# KiCad board SparkFun_Pro_Mini-ESP32_panelized.kicad_pcb (continued)
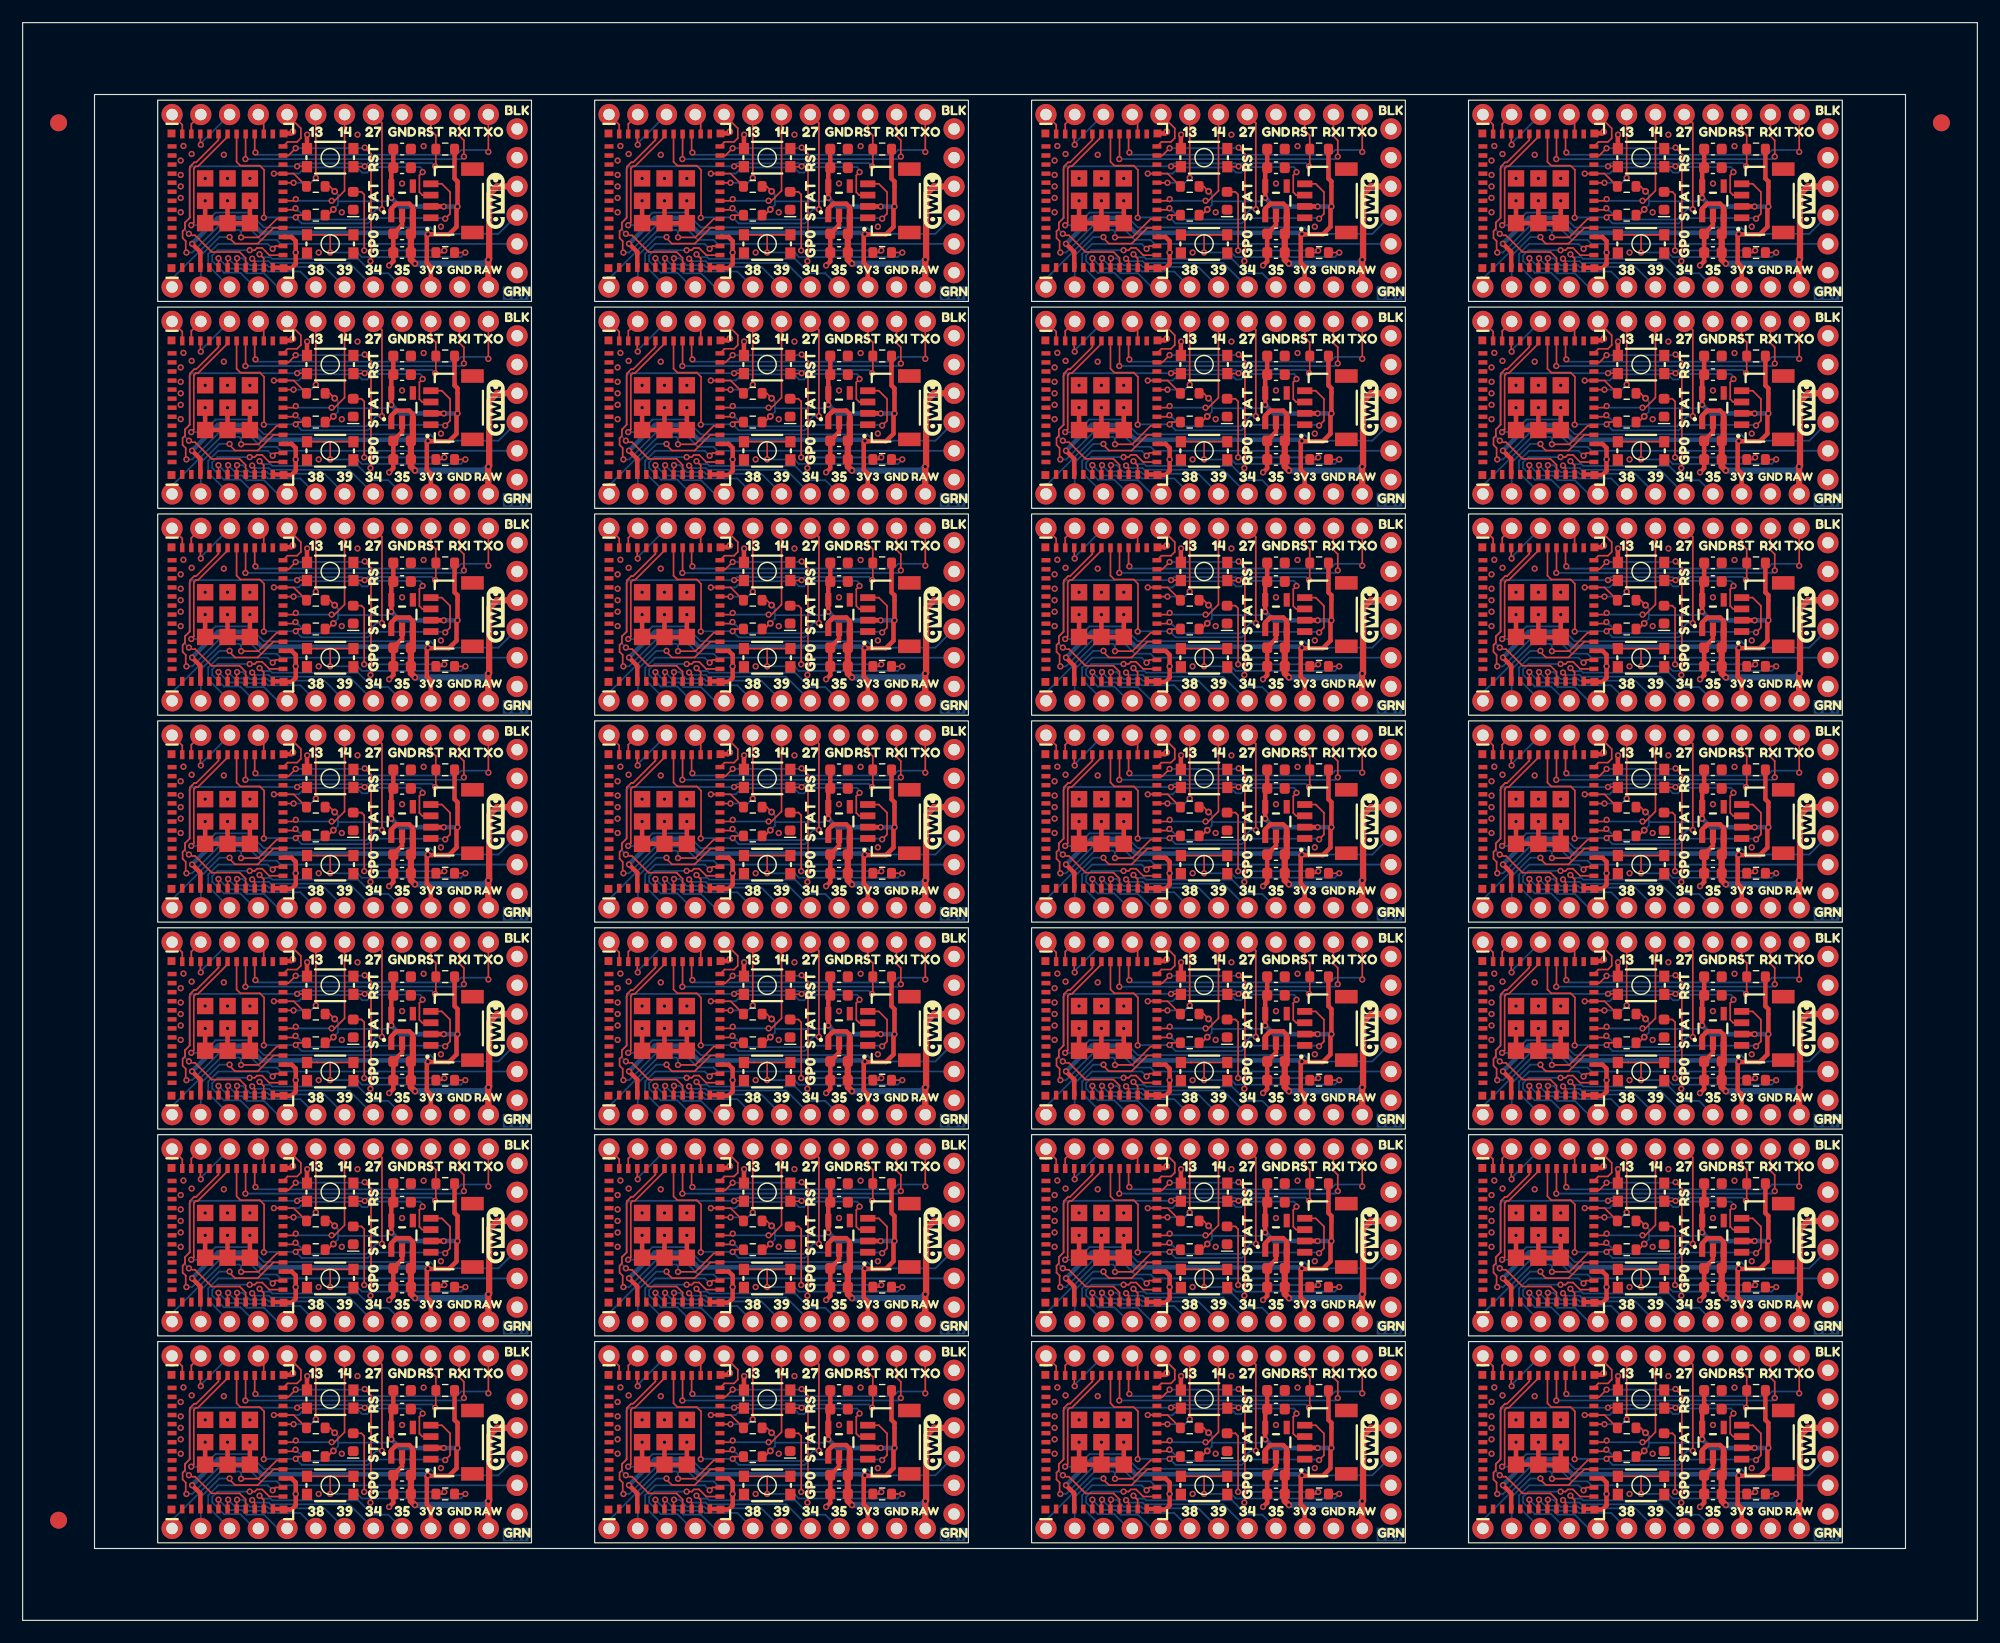
[diagram p0: board, top side]
## Routing (per net, layer and track width the routed paths; a pad name or vN(x,y) marks a point on that pad's centre or on a via; arc(x,y) is an arc through that point) (continued)
GND: length 626.5
  Top w0.406: U1#10.49.2 U1#10.49.1 v2(93.33,70.58) ; U1#10.49.2 v2(95.3,70.58) ; U1#10.49.2 U1#10.49.3 v2(97.27,70.58) ; U1#19.49.2 U1#19.49.3 v2(135.88,107.14) ; U1#19.49.2 v2(133.9,107.14) ; U1#19.49.2 U1#19.49.1 v2(131.93,107.14) ; v2(25.14,21.58) 25.12,21.56 SW1#25.2 ; U1#13.49.2 U1#13.49.1 v2(93.33,88.86) ; U1#13.49.2 v2(95.3,88.86) ; U1#13.49.2 U1#13.49.3 v2(97.27,88.86) ; U1#3.11 138.8,82.96 U1#3.52 139.56,82.91 139.92,83.27 v2(139.92,84.29) 139.92,85.3 139.57,85.66 U1#3.14 ; SW1#9.2 25.12,39.84 v2(25.14,39.86) ; U1#10.11 100.2,64.68 U1#10.52 100.96,64.63 101.32,64.99 v2(101.32,66.01) 101.32,67.02 100.97,67.38 U1#10.14 ; U1#17.49.2 U1#17.49.3 v2(58.67,34.02) ; U1#17.49.2 v2(56.7,34.02) ; U1#17.49.2 U1#17.49.1 v2(54.73,34.02) ; U1#11.14 100.97,103.94 101.32,103.58 v2(101.32,102.57) 101.32,101.55 100.96,101.19 U1#11.52 100.2,101.24 U1#11.11 ; v2(140.94,94.7) 140.92,94.68 SW1#16.2 ; v2(25.14,58.14) 25.12,58.12 SW1#23.2 ; v2(20.08,70.58) U1#24.49.3 U1#24.49.2 ; v2(109.58,101.43) 109.95,101.79 C2#11.2 C1#21.2 110.72,104.99 U2#20.2 ; v2(58.67,70.58) U1#15.49.3 U1#15.49.2 ; U1#3.51 139.52,94.81 v1(139.67,94.96) ; v2(20.08,107.14) U1#6.49.3 U1#6.49.2 ; U1#15.51 62.32,76.53 v1(62.47,76.68) ; U1#28.49.2 U1#28.49.1 v2(16.13,52.3) ; U1#28.49.2 v2(18.1,52.3) ; U1#28.49.2 U1#28.49.3 v2(20.08,52.3) ; v1(62.47,58.4) 62.32,58.25 U1#20.51 ; U1#25.14 23.77,85.66 24.12,85.3 v2(24.12,84.29) 24.12,83.27 23.76,82.91 U1#25.52 23,82.96 U1#25.11 ; U1#19.14 139.57,103.94 139.92,103.58 v2(139.92,102.57) 139.92,101.55 139.56,101.19 U1#19.52 138.8,101.24 U1#19.11 ; U1#5.49.2 v2(95.3,52.3) ; U1#5.49.2 U1#5.49.3 v2(97.27,52.3) ; U1#5.49.2 U1#5.49.1 v2(93.33,52.3) ; U1#21.14 62.37,103.94 62.72,103.58 v2(62.72,102.57) 62.72,101.55 62.36,101.19 U1#21.52 61.6,101.24 U1#21.11 ; v2(140.94,21.58) 140.92,21.56 SW1#6.2 ; U1#22.14 100.97,12.54 101.32,12.18 v2(101.32,11.17) 101.32,10.15 100.96,9.79 U1#22.52 100.2,9.84 U1#22.11 ; U1#15.49.2 U1#15.49.1 v2(54.73,70.58) ; U1#15.49.2 v2(56.7,70.58) ; v1(62.47,40.12) 62.32,39.97 U1#17.51 ; v2(63.74,58.14) 63.72,58.12 SW1#13.2 ; v2(109.58,64.87) 109.95,65.23 C2#27.2 C1#16.2 110.72,68.43 U2#15.2 ; U1#24.51 23.72,76.53 v1(23.87,76.68) ; SW1#19.2 63.72,76.4 v2(63.74,76.42) ; U1#3.49.2 U1#3.49.1 v2(131.93,88.86) ; U1#3.49.2 U1#3.49.3 v2(135.88,88.86) ; U1#3.49.2 v2(133.9,88.86) ; v2(54.73,88.86) U1#16.49.1 U1#16.49.2 ; U1#24.49.2 U1#24.49.1 v2(16.13,70.58) ; U1#24.49.2 v2(18.1,70.58) ; SW1#14.2 140.92,39.84 v2(140.94,39.86) ; v2(93.33,15.74) U1#22.49.1 U1#22.49.2 ; v2(70.98,28.31) 71.35,28.67 71.35,31.1 72.12,31.87 U2#26.2 ; U2#2.2 72.12,13.59 71.35,12.82 71.35,10.39 v2(70.98,10.03) ; U1#20.49.2 U1#20.49.1 v2(54.73,52.3) ; U1#20.49.2 U1#20.49.3 v2(58.67,52.3) ; U1#20.49.2 v2(56.7,52.3) ; v2(140.94,131.26) 140.92,131.24 SW1.2 ; v2(32.38,101.43) 32.74,101.79 C2#25.2 C1#13.2 33.52,104.99 U2#14.2 ; v2(25.14,131.26) 25.12,131.24 SW1#3.2 ; SW1#11.2 25.12,94.68 v2(25.14,94.7) ; U1#23.11 61.6,119.52 U1#23.52 62.36,119.47 62.72,119.83 v2(62.72,120.85) 62.72,121.86 62.37,122.22 U1#23.14 ; SW1#28.2 63.72,131.24 v2(63.74,131.26) ; SW1#7.2 25.12,112.96 v2(25.14,112.98) ; v2(148.18,64.87) 148.54,65.23 C2#28.2 C1#26.2 149.32,68.43 U2#9.2 ; v2(148.18,101.43) 148.54,101.79 C2#6.2 C1#2.2 149.32,104.99 U2#11.2 ; v1(139.67,58.4) 139.52,58.25 U1#7.51 ; v2(131.93,125.42) U1#9.49.1 U1#9.49.2 ; U1#21.51 62.32,113.09 v1(62.47,113.24) ; v2(16.13,88.86) U1#25.49.1 U1#25.49.2 ; U2#10.2 33.52,13.59 C1#10.2 C2#23.2 32.74,10.39 v2(32.38,10.03) ; U1#12.51 139.52,76.53 v1(139.67,76.68) ; U1#11.49.2 U1#11.49.1 v2(93.33,107.14) ; U1#11.49.2 v2(95.3,107.14) ; U1#11.49.2 U1#11.49.3 v2(97.27,107.14) ; U1#24.11 23,64.68 U1#24.52 23.76,64.63 24.12,64.99 v2(24.12,66.01) 24.12,67.02 23.77,67.38 U1#24.14 ; U2#12.2 72.12,68.43 71.35,67.66 71.35,65.23 v2(70.98,64.87) ; U1#14.14 100.97,122.22 101.32,121.86 v2(101.32,120.85) 101.32,119.83 100.96,119.47 U1#14.52 100.2,119.52 U1#14.11 ; U1#5.14 100.97,49.1 101.32,48.74 v2(101.32,47.73) 101.32,46.71 100.96,46.35 U1#5.52 100.2,46.4 U1#5.11 ; v2(102.34,21.58) 102.32,21.56 SW1#8.2 ; U1#16.49.2 v2(56.7,88.86) ; U1#16.49.2 U1#16.49.3 v2(58.67,88.86) ; U1#28.11 23,46.4 U1#28.52 23.76,46.35 24.12,46.71 v2(24.12,47.73) 24.12,48.74 23.77,49.1 U1#28.14 ; v1(139.67,113.24) 139.52,113.09 U1#19.51 ; U2#3.2 72.12,104.99 71.35,104.22 71.35,101.79 v2(70.98,101.43) ; SW1#27.2 102.32,131.24 v2(102.34,131.26) ; U1#23.49.2 v2(56.7,125.42) ; U1#23.49.2 U1#23.49.1 v2(54.73,125.42) ; U1#23.49.2 U1#23.49.3 v2(58.67,125.42) ; v1(139.67,40.12) 139.52,39.97 U1#27.51 ; v2(20.08,125.42) U1#18.49.3 U1#18.49.2 ; v1(23.87,21.84) 23.72,21.69 U1.51 ; U1#21.49.2 U1#21.49.3 v2(58.67,107.14) ; U1#21.49.2 U1#21.49.1 v2(54.73,107.14) ; U1#21.49.2 v2(56.7,107.14) ; v2(32.38,46.59) 32.74,46.95 C2#12.2 C1#18.2 33.52,50.15 U2#23.2 ; U1#9.49.2 v2(133.9,125.42) ; U1#9.49.2 U1#9.49.3 v2(135.88,125.42) ; U2#28.2 149.32,31.87 C1#8.2 C2#22.2 148.54,28.67 v2(148.18,28.31) ; U2#13.2 33.52,123.27 C1#24.2 C2#5.2 32.74,120.07 v2(32.38,119.71) ; U2#17.2 110.72,123.27 C1#28.2 C2#7.2 109.95,120.07 v2(109.58,119.71) ; U1#8.14 100.97,30.82 101.32,30.46 v2(101.32,29.45) 101.32,28.43 100.96,28.07 U1#8.52 100.2,28.12 U1#8.11 ; U1#7.49.2 U1#7.49.3 v2(135.88,52.3) ; U1#7.49.2 v2(133.9,52.3) ; U1#7.49.2 U1#7.49.1 v2(131.93,52.3) ; U1#18.49.2 U1#18.49.1 v2(16.13,125.42) ; U1#18.49.2 v2(18.1,125.42) ; v2(109.58,83.15) 109.95,83.51 C2#19.2 C1#9.2 110.72,86.71 U2.2 ; v1(101.07,40.12) 100.92,39.97 U1#8.51 ; U1#12.11 138.8,64.68 U1#12.52 139.56,64.63 139.92,64.99 v2(139.92,66.01) 139.92,67.02 139.57,67.38 U1#12.14 ; U1#16.51 62.32,94.81 v1(62.47,94.96) ; v1(101.07,21.84) 100.92,21.69 U1#22.51 ; v1(23.87,40.12) 23.72,39.97 U1#2.51 ; U1#27.49.2 v2(133.9,34.02) ; U1#27.49.2 U1#27.49.3 v2(135.88,34.02) ; U1#27.49.2 U1#27.49.1 v2(131.93,34.02) ; v2(102.34,76.42) 102.32,76.4 SW1#15.2 ; U1#6.49.2 U1#6.49.1 v2(16.13,107.14) ; U1#6.49.2 v2(18.1,107.14) ; U1#18.11 23,119.52 U1#18.52 23.76,119.47 24.12,119.83 v2(24.12,120.85) 24.12,121.86 23.77,122.22 U1#18.14 ; v2(63.74,94.7) 63.72,94.68 SW1#18.2 ; U1#14.49.2 v2(95.3,125.42) ; U1#14.49.2 U1#14.49.3 v2(97.27,125.42) ; U1#14.49.2 U1#14.49.1 v2(93.33,125.42) ; v2(109.58,10.03) 109.95,10.39 C2#21.2 C1#25.2 110.72,13.59 U2#19.2 ; U1#15.11 61.6,64.68 U1#15.52 62.36,64.63 62.72,64.99 v2(62.72,66.01) 62.72,67.02 62.37,67.38 U1#15.14 ; v2(109.58,28.31) 109.95,28.67 C2.2 C1#12.2 110.72,31.87 U2#4.2 ; v2(97.27,34.02) U1#8.49.3 U1#8.49.2 ; U1#12.49.2 U1#12.49.3 v2(135.88,70.58) ; U1#12.49.2 v2(133.9,70.58) ; U1#12.49.2 U1#12.49.1 v2(131.93,70.58) ; SW1#17.2 63.72,39.84 v2(63.74,39.86) ; SW1#21.2 102.32,58.12 v2(102.34,58.14) ; U1#27.14 139.57,30.82 139.92,30.46 v2(139.92,29.45) 139.92,28.43 139.56,28.07 U1#27.52 138.8,28.12 U1#27.11 ; v2(58.67,15.74) U1#4.49.3 U1#4.49.2 ; v1(101.07,76.68) 100.92,76.53 U1#10.51 ; v1(62.47,131.52) 62.32,131.37 U1#23.51 ; U1#22.49.2 v2(95.3,15.74) ; U1#22.49.2 U1#22.49.3 v2(97.27,15.74) ; v2(70.98,83.15) 71.35,83.51 71.35,85.94 72.12,86.71 U2#24.2 ; v2(70.98,119.71) 71.35,120.07 71.35,122.5 72.12,123.27 U2#6.2 ; U1#25.51 23.72,94.81 v1(23.87,94.96) ; v2(148.18,83.15) 148.54,83.51 C2#26.2 C1#20.2 149.32,86.71 U2#27.2 ; v2(140.94,112.98) 140.92,112.96 SW1#26.2 ; U1#8.49.2 v2(95.3,34.02) ; U1#8.49.2 U1#8.49.1 v2(93.33,34.02) ; U1.49.2 v2(18.1,15.74) ; U1.49.2 U1.49.1 v2(16.13,15.74) ; U1.49.2 U1.49.3 v2(20.08,15.74) ; U2#18.2 110.72,50.15 C1#3.2 C2#3.2 109.95,46.95 v2(109.58,46.59) ; U1#2.49.2 U1#2.49.1 v2(16.13,34.02) ; U1#2.49.2 U1#2.49.3 v2(20.08,34.02) ; U1#2.49.2 v2(18.1,34.02) ; U1#4.11 61.6,9.84 U1#4.52 62.36,9.79 62.72,10.15 v2(62.72,11.17) 62.72,12.18 62.37,12.54 U1#4.14 ; U1#20.11 61.6,46.4 U1#20.52 62.36,46.35 62.72,46.71 v2(62.72,47.73) 62.72,48.74 62.37,49.1 U1#20.14 ; v2(102.34,39.86) 102.32,39.84 SW1#2.2 ; SW1#10.2 140.92,76.4 v2(140.94,76.42) ; v1(101.07,131.52) 100.92,131.37 U1#14.51 ; U1#26.49.2 v2(133.9,15.74) ; U1#26.49.2 U1#26.49.1 v2(131.93,15.74) ; U1#26.49.2 U1#26.49.3 v2(135.88,15.74) ; v2(25.14,76.42) 25.12,76.4 SW1#4.2 ; U1.14 23.77,12.54 24.12,12.18 v2(24.12,11.17) 24.12,10.15 23.76,9.79 U1.52 23,9.84 U1.11 ; U1#26.11 138.8,9.84 U1#26.52 139.56,9.79 139.92,10.15 v2(139.92,11.17) 139.92,12.18 139.57,12.54 U1#26.14 ; U1#6.14 23.77,103.94 24.12,103.58 v2(24.12,102.57) 24.12,101.55 23.76,101.19 U1#6.52 23,101.24 U1#6.11 ; U1#17.11 61.6,28.12 U1#17.52 62.36,28.07 62.72,28.43 v2(62.72,29.45) 62.72,30.46 62.37,30.82 U1#17.14 ; SW1#5.2 63.72,112.96 v2(63.74,112.98) ; v1(101.07,58.4) 100.92,58.25 U1#5.51 ; v2(32.38,28.31) 32.74,28.67 C2#24.2 C1#22.2 33.52,31.87 U2#16.2 ; U1#25.49.2 v2(18.1,88.86) ; U1#25.49.2 U1#25.49.3 v2(20.08,88.86) ; U1#6.51 23.72,113.09 v1(23.87,113.24) ; U2#21.2 72.12,50.15 71.35,49.38 71.35,46.95 v2(70.98,46.59) ; U1#4.51 62.32,21.69 v1(62.47,21.84) ; v2(32.38,83.15) 32.74,83.51 C2#2.2 C1#17.2 33.52,86.71 U2#25.2 ; U1#13.51 100.92,94.81 v1(101.07,94.96) ; U2#22.2 149.32,123.27 C1#4.2 C2#8.2 148.54,120.07 v2(148.18,119.71) ; v2(148.18,46.59) 148.54,46.95 C2#9.2 C1#5.2 149.32,50.15 U2#7.2 ; v2(102.34,112.98) 102.32,112.96 SW1#20.2 ; SW1#22.2 140.92,58.12 v2(140.94,58.14) ; U1#9.14 139.57,122.22 139.92,121.86 v2(139.92,120.85) 139.92,119.83 139.56,119.47 U1#9.52 138.8,119.52 U1#9.11 ; SW1#24.2 102.32,94.68 v2(102.34,94.7) ; v1(23.87,58.4) 23.72,58.25 U1#28.51 ; v1(101.07,113.24) 100.92,113.09 U1#11.51 ; U1#4.49.2 v2(56.7,15.74) ; U1#4.49.2 U1#4.49.1 v2(54.73,15.74) ; v2(32.38,64.87) 32.74,65.23 C2#4.2 C1#27.2 33.52,68.43 U2#5.2 ; U1#2.14 23.77,30.82 24.12,30.46 v2(24.12,29.45) 24.12,28.43 23.76,28.07 U1#2.52 23,28.12 U1#2.11 ; v1(23.87,131.52) 23.72,131.37 U1#18.51 ; U1#9.51 139.52,131.37 v1(139.67,131.52) ; v2(63.74,21.58) 63.72,21.56 SW1#12.2 ; U1#7.14 139.57,49.1 139.92,48.74 v2(139.92,47.73) 139.92,46.71 139.56,46.35 U1#7.52 138.8,46.4 U1#7.11 ; U1#26.51 139.52,21.69 v1(139.67,21.84) ; U1#16.11 61.6,82.96 U1#16.52 62.36,82.91 62.72,83.27 v2(62.72,84.29) 62.72,85.3 62.37,85.66 U1#16.14 ; U1#13.11 100.2,82.96 U1#13.52 100.96,82.91 101.32,83.27 v2(101.32,84.29) 101.32,85.3 100.97,85.66 U1#13.14 ; U2#8.2 149.32,13.59 C1#6.2 C2#18.2 148.54,10.39 v2(148.18,10.03)
  vias: v2(13.96,128.98) v2(13.96,127.71) v2(13.96,126.69) v2(13.96,125.67) v2(13.96,124.4) v2(13.96,110.7) v2(13.96,109.43) v2(13.96,108.41) v2(13.96,107.39) v2(13.96,106.12) v2(13.96,92.42) v2(13.96,91.15) v2(13.96,90.13) v2(13.96,89.11) v2(13.96,87.84) v2(13.96,74.14) v2(13.96,72.87) v2(13.96,71.85) v2(13.96,70.83) v2(13.96,69.56) v2(13.96,55.86) v2(13.96,54.59) v2(13.96,53.57) v2(13.96,52.55) v2(13.96,51.28) v2(13.96,37.58) v2(13.96,36.31) v2(13.96,35.29) v2(13.96,34.27) v2(13.96,33) v2(13.96,19.3) v2(13.96,18.03) v2(13.96,17.01) v2(13.96,15.99) v2(13.96,14.72) v2(14.21,130.26) v2(14.21,111.98) v2(14.21,93.7) v2(14.21,75.42) v2(14.21,57.14) v2(14.21,38.86) v2(14.21,20.58) v2(14.93,129.55) v2(14.93,111.27) v2(14.93,92.99) v2(14.93,74.71) v2(14.93,56.43) v2(14.93,38.15) v2(14.93,19.87) v2(16.13,127.4) v2(16.13,109.12) v2(16.13,90.84) v2(16.13,72.56) v2(16.13,54.28) v2(16.13,36) v2(16.13,17.72) v2(17.77,129.48) v2(17.77,111.2) v2(17.77,92.92) v2(17.77,74.64) v2(17.77,56.36) v2(17.77,38.08) v2(17.77,19.8) v2(18.1,127.4) v2(18.1,109.12) v2(18.1,90.84) v2(18.1,72.56) v2(18.1,54.28) v2(18.1,36) v2(18.1,17.72) v2(20.08,127.4) v2(20.08,109.12) v2(20.08,90.84) v2(20.08,72.56) v2(20.08,54.28) v2(20.08,36) v2(20.08,17.72) v2(26.15,120.85) v2(26.15,102.57) v2(26.15,84.29) v2(26.15,66.01) v2(26.15,47.73) v2(26.15,29.45) v2(26.15,11.17) v2(28.19,124.4) v2(28.19,106.12) v2(28.19,87.84) v2(28.19,69.56) v2(28.19,51.28) v2(28.19,33) v2(28.19,14.72) v2(29.58,131.26) v2(29.58,112.98) v2(29.58,94.7) v2(29.58,76.42) v2(29.58,58.14) v2(29.58,39.86) v2(29.58,21.58) v2(33.52,126.94) v2(33.52,108.66) v2(33.52,90.38) v2(33.52,72.1) v2(33.52,53.82) v2(33.52,35.54) v2(33.52,17.26) v2(35.42,130.25) v2(35.42,111.97) v2(35.42,93.69) v2(35.42,75.41) v2(35.42,57.13) v2(35.42,38.85) v2(35.42,20.57) v2(36.95,123.13) v2(36.95,104.85) v2(36.95,86.57) v2(36.95,68.29) v2(36.95,50.01) v2(36.95,31.73) v2(36.95,13.45) v2(52.56,128.98) v2(52.56,127.71) v2(52.56,126.69) v2(52.56,125.67) v2(52.56,124.4) v2(52.56,110.7) v2(52.56,109.43) v2(52.56,108.41) v2(52.56,107.39) v2(52.56,106.12) v2(52.56,92.42) v2(52.56,91.15) v2(52.56,90.13) v2(52.56,89.11) v2(52.56,87.84) v2(52.56,74.14) v2(52.56,72.87) v2(52.56,71.85) v2(52.56,70.83) v2(52.56,69.56) v2(52.56,55.86) v2(52.56,54.59) v2(52.56,53.57) v2(52.56,52.55) v2(52.56,51.28) v2(52.56,37.58) v2(52.56,36.31) v2(52.56,35.29) v2(52.56,34.27) v2(52.56,33) v2(52.56,19.3) v2(52.56,18.03) v2(52.56,17.01) v2(52.56,15.99) v2(52.56,14.72) v2(52.81,130.26) v2(52.81,111.98) v2(52.81,93.7) v2(52.81,75.42) v2(52.81,57.14) v2(52.81,38.86) v2(52.81,20.58) v2(53.53,129.55) v2(53.53,111.27) v2(53.53,92.99) v2(53.53,74.71) v2(53.53,56.43) v2(53.53,38.15) v2(53.53,19.87) v2(54.73,127.4) v2(54.73,109.12) v2(54.73,90.84) v2(54.73,72.56) v2(54.73,54.28) v2(54.73,36) v2(54.73,17.72) v2(56.37,129.48) v2(56.37,111.2) v2(56.37,92.92) v2(56.37,74.64) v2(56.37,56.36) v2(56.37,38.08) v2(56.37,19.8) v2(56.7,127.4) v2(56.7,109.12) v2(56.7,90.84) v2(56.7,72.56) v2(56.7,54.28) v2(56.7,36) v2(56.7,17.72) v2(58.67,127.4) v2(58.67,109.12) v2(58.67,90.84) v2(58.67,72.56) v2(58.67,54.28) v2(58.67,36) v2(58.67,17.72) v2(64.75,120.85) v2(64.75,102.57) v2(64.75,84.29) v2(64.75,66.01) v2(64.75,47.73) v2(64.75,29.45) v2(64.75,11.17) v2(66.79,124.4) v2(66.79,106.12) v2(66.79,87.84) v2(66.79,69.56) v2(66.79,51.28) v2(66.79,33) v2(66.79,14.72) v2(68.18,131.26) v2(68.18,112.98) v2(68.18,94.7) v2(68.18,76.42) v2(68.18,58.14) v2(68.18,39.86) v2(68.18,21.58) v2(72.12,126.94) v2(72.12,108.66) v2(72.12,90.38) v2(72.12,72.1) v2(72.12,53.82) v2(72.12,35.54) v2(72.12,17.26) v2(74.02,130.25) v2(74.02,111.97) v2(74.02,93.69) v2(74.02,75.41) v2(74.02,57.13) v2(74.02,38.85) v2(74.02,20.57) v2(75.55,123.13) v2(75.55,104.85) v2(75.55,86.57) v2(75.55,68.29) v2(75.55,50.01) v2(75.55,31.73) v2(75.55,13.45) v2(91.16,128.98) v2(91.16,127.71) v2(91.16,126.69) v2(91.16,125.67) v2(91.16,124.4) v2(91.16,110.7) v2(91.16,109.43) v2(91.16,108.41) v2(91.16,107.39) v2(91.16,106.12) v2(91.16,92.42) v2(91.16,91.15) v2(91.16,90.13) v2(91.16,89.11) v2(91.16,87.84) v2(91.16,74.14) v2(91.16,72.87) v2(91.16,71.85) v2(91.16,70.83) v2(91.16,69.56) v2(91.16,55.86) v2(91.16,54.59) v2(91.16,53.57) v2(91.16,52.55) v2(91.16,51.28) v2(91.16,37.58) v2(91.16,36.31) v2(91.16,35.29) v2(91.16,34.27) v2(91.16,33) v2(91.16,19.3) v2(91.16,18.03) v2(91.16,17.01) v2(91.16,15.99) v2(91.16,14.72) v2(91.41,130.26) v2(91.41,111.98) v2(91.41,93.7) v2(91.41,75.42) v2(91.41,57.14) v2(91.41,38.86) v2(91.41,20.58) v2(92.13,129.55) v2(92.13,111.27) v2(92.13,92.99) v2(92.13,74.71) v2(92.13,56.43) v2(92.13,38.15) v2(92.13,19.87) v2(93.33,127.4) v2(93.33,109.12) v2(93.33,90.84) v2(93.33,72.56) v2(93.33,54.28) v2(93.33,36) v2(93.33,17.72) v2(94.97,129.48) v2(94.97,111.2) v2(94.97,92.92) v2(94.97,74.64) v2(94.97,56.36) v2(94.97,38.08) v2(94.97,19.8) v2(95.3,127.4) v2(95.3,109.12) v2(95.3,90.84) v2(95.3,72.56) v2(95.3,54.28) v2(95.3,36) v2(95.3,17.72) v2(97.27,127.4) v2(97.27,109.12) v2(97.27,90.84) v2(97.27,72.56) v2(97.27,54.28) v2(97.27,36) v2(97.27,17.72) v2(103.35,120.85) v2(103.35,102.57) v2(103.35,84.29) v2(103.35,66.01) v2(103.35,47.73) v2(103.35,29.45) v2(103.35,11.17) v2(105.39,124.4) v2(105.39,106.12) v2(105.39,87.84) v2(105.39,69.56) v2(105.39,51.28) v2(105.39,33) v2(105.39,14.72) v2(106.78,131.26) v2(106.78,112.98) v2(106.78,94.7) v2(106.78,76.42) v2(106.78,58.14) v2(106.78,39.86) v2(106.78,21.58) v2(110.72,126.94) v2(110.72,108.66) v2(110.72,90.38) v2(110.72,72.1) v2(110.72,53.82) v2(110.72,35.54) v2(110.72,17.26) v2(112.63,130.25) v2(112.63,111.97) v2(112.63,93.69) v2(112.63,75.41) v2(112.63,57.13) v2(112.63,38.85) v2(112.63,20.57) v2(114.15,123.13) v2(114.15,104.85) v2(114.15,86.57) v2(114.15,68.29) v2(114.15,50.01) v2(114.15,31.73) v2(114.15,13.45) v2(129.76,128.98) v2(129.76,127.71) v2(129.76,126.69) v2(129.76,125.67) v2(129.76,124.4) v2(129.76,110.7) v2(129.76,109.43) v2(129.76,108.41) v2(129.76,107.39) v2(129.76,106.12) v2(129.76,92.42) v2(129.76,91.15) v2(129.76,90.13) v2(129.76,89.11) v2(129.76,87.84) v2(129.76,74.14) v2(129.76,72.87) v2(129.76,71.85) v2(129.76,70.83) v2(129.76,69.56) v2(129.76,55.86) v2(129.76,54.59) v2(129.76,53.57) v2(129.76,52.55) v2(129.76,51.28) v2(129.76,37.58) v2(129.76,36.31) v2(129.76,35.29) v2(129.76,34.27) v2(129.76,33) v2(129.76,19.3) v2(129.76,18.03) v2(129.76,17.01) v2(129.76,15.99) v2(129.76,14.72) v2(130.01,130.26) v2(130.01,111.98) v2(130.01,93.7) v2(130.01,75.42) v2(130.01,57.14) v2(130.01,38.86) v2(130.01,20.58) v2(130.73,129.55) v2(130.73,111.27) v2(130.73,92.99) v2(130.73,74.71) v2(130.73,56.43) v2(130.73,38.15) v2(130.73,19.87) v2(131.93,127.4) v2(131.93,109.12) v2(131.93,90.84) v2(131.93,72.56) v2(131.93,54.28) v2(131.93,36) v2(131.93,17.72) v2(133.57,129.48) v2(133.57,111.2) v2(133.57,92.92) v2(133.57,74.64) v2(133.57,56.36) v2(133.57,38.08) v2(133.57,19.8) v2(133.9,127.4) v2(133.9,109.12) v2(133.9,90.84) v2(133.9,72.56) v2(133.9,54.28) v2(133.9,36) v2(133.9,17.72) v2(135.88,127.4) v2(135.88,109.12) v2(135.88,90.84) v2(135.88,72.56) v2(135.88,54.28) v2(135.88,36) v2(135.88,17.72) v2(141.95,120.85) v2(141.95,102.57) v2(141.95,84.29) v2(141.95,66.01) v2(141.95,47.73) v2(141.95,29.45) v2(141.95,11.17) v2(143.99,124.4) v2(143.99,106.12) v2(143.99,87.84) v2(143.99,69.56) v2(143.99,51.28) v2(143.99,33) v2(143.99,14.72) v2(145.38,131.26) v2(145.38,112.98) v2(145.38,94.7) v2(145.38,76.42) v2(145.38,58.14) v2(145.38,39.86) v2(145.38,21.58) v2(149.32,126.94) v2(149.32,108.66) v2(149.32,90.38) v2(149.32,72.1) v2(149.32,53.82) v2(149.32,35.54) v2(149.32,17.26) v2(151.22,130.25) v2(151.22,111.97) v2(151.22,93.69) v2(151.22,75.41) v2(151.22,57.13) v2(151.22,38.85) v2(151.22,20.57) v2(152.75,123.13) v2(152.75,104.85) v2(152.75,86.57) v2(152.75,68.29) v2(152.75,50.01) v2(152.75,31.73) v2(152.75,13.45)
